# Altium PCB smu_unit.PcbDoc (part 3 of 3)
Units mil, origin at the board's own origin, x right, y up, seen from the top; angles counter-clockwise.
Board outline 6066 x 1900 mil, 4 copper layers (L1, L2, L3, L4), stack 64.6 mil thick; 158 components, 104 nets, 571 pads, 990 vias.
Unrouted connection lines stored in the file: 24.
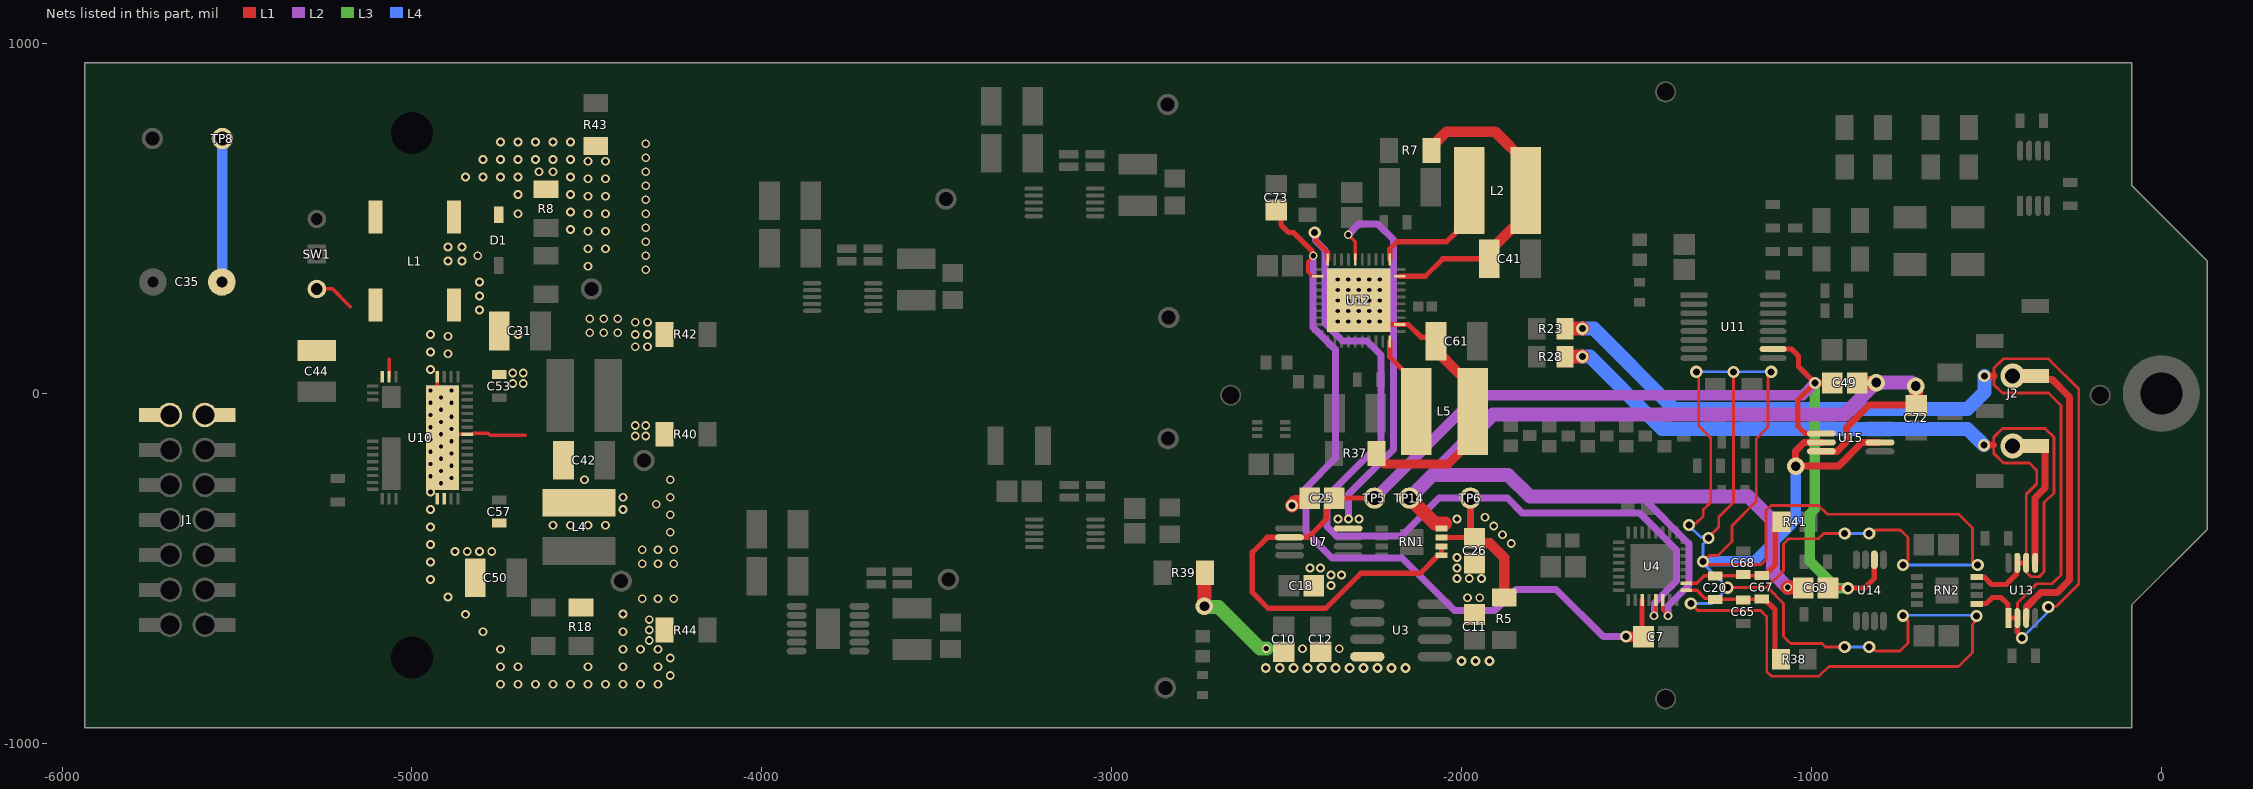
[diagram p5: the nets of this part, all layers, seen from the top]

## Via types
v1: diameter 25, hole 15, L1 to L4, tented both sides, 770 vias
v2: diameter 35, hole 20, L1 to L4, tented both sides, 109 vias
v3: diameter 20, hole 12, L1 to L4, tented both sides, 59 vias
v4: diameter 28, hole 15, L1 to L4, tented both sides, 26 vias
v5: diameter 50, hole 28, L1 to L4, tented both sides, 16 vias
v6: diameter 70.87, hole 43.31, L1 to L4, tented both sides, 6 vias
v7: diameter 40, hole 25, L1 to L4, tented both sides, 2 vias
v8: diameter 35, hole 20, L1 to L4, tented top, 1 vias
v9: diameter 40, hole 20, L1 to L4, tented both sides, 1 vias

## Nets (pads, with @x,y where several pads share a name; then routed paths per layer and width w, separated by ;. In a path a pad name is that pad's centre, name@x,y a point inside that pad or via, vN(x,y) a via of type N, cw(c..) or ccw(c..) an arc to the next point about the centre after c; other vN are vias at no path point) (continued)
REFGND: C10.2 C11.2 C12.2 C18.2 C25.1 C26.1 C49.1 C69.1 C72.2 R39.2 RN1.4 TP14.1 U3.4 U4.6 U7.4 U12.6 U15.4 | length 5405.4
  L1 w10: v1(-2324.01,453.71) -2303.87,433.58 -2303.87,383.35 U12.6@-2303.74,383.21 ; U4.6@-1425.02,-590.24 -1425.02,-619.93 v1(-1409.7,-635.24)
  L1 w20: U15.4@-971.66,-165.39 -927.39,-165.39 -900,-138 -900,-98 -835.54,-33.54 C72.2@-701,-33.54
  L1 w40: v5(-2735,-608) -2735,-514.54 R39.2@-2732.87,-512.41 ; v2(-2485,-320) -2474.51,-309.51 -2443.96,-309.51 -2434.43,-299.98 C25.1@-2434.43,-299 ; TP14.1@-2149,-299 -2076,-372 -2047,-372 ; v1(-1068,-554) -1025.43,-554 C69.1@-1023.43,-556 ; C49.1@-869.57,30 -869.07,30.5 -815.5,30.5 v5(-815,31) ; v5(-702,21) -701,20 C72.2@-701,-33.54
  L2 w20: v1(-2324.01,453.71) -2292.72,485 -2240,485 -2195,440 -2195,-160 -2323,-288 v1(-2323,-359) ; -1485,-295 -1350,-430 -1350,-548 -1409.7,-607.7 v1(-1409.7,-635.24)
  L2 w40: TP14.1@-2149,-299 -2083,-233 ; v1(-1068,-554) -1110,-512 -1110,-365 -1180,-295 -1485,-295 -1805,-295 -1867,-233 -2083,-233 ; v5(-702,21) -704.71,21 -714.71,31 v5(-815,31) -906,-60 -1910,-60 -2083,-233
  L3 w40: v5(-2735,-608) -2733.09,-609.91 -2695.09,-609.91 -2576,-729 v1(-2558,-729)
  other v1: -2455,-730 -2350,-730 -1983,-584 -1948,-584 -2373,-549 -2013,-529 -1978,-529 -1943,-529 -2373,-519 -2343,-519 -2433,-499 -2403,-499 -2013,-499 -2013,-469 -1858,-429 -1883,-404 -1908,-379 -2353,-359 -2293,-359 -2013,-359 -1933,-354
  other v4: -2560,-785 -2520,-785 -2480,-785 -2440,-785 -2400,-785 -2360,-785 -2320,-785 -2280,-785 -2240,-785 -2200,-785 -2160,-785 -2000,-765 -1960,-765 -1920,-765
SGND1: C31.2 C42.1 C50.2 C53.1 C57.2 L1.1 L4.2 R8.1 R18.1 R40.2 R42.1 R43.1 R44.1 U10.4 U10.5 U10.16 U10.27 U10.43 | length 488.9
  L1 w10: U10.43@-4928.97,-142.58 U10.43@-4912.8,-126.41 ; U10.43@-4927.68,-126.41 U10.27@-4927.68,48.2 ; U10.43@-4907.99,-151.41 -4907.99,-146.5 U10.43@-4907.99,-131.21 ; U10.43@-4907.89,-151.41 -4912.8,-146.5 -4912.8,-131.21 U10.43@-4912.8,-126.41 ; -4675.89,-119.41 -4776.89,-119.41 -4781.89,-114.41 -4824.94,-114.41 -4826.94,-116.41 -4841.5,-116.41 U10.16@-4841.66,-116.56 -4841.66,-116.41 -4841.82,-116.56 -4902.96,-116.56 U10.43@-4912.8,-126.41
  other v1: -4746.89,-831.41 -4696.89,-831.41 -4646.89,-831.41 -4596.89,-831.41 -4546.89,-831.41 -4496.89,-831.41 -4446.89,-831.41 -4396.89,-831.41 -4346.89,-831.41 -4296.89,-831.41 -4261.89,-806.41 -4746.89,-781.41 -4696.89,-781.41 -4496.89,-781.41 -4396.89,-781.41 -4296.89,-781.41 -4261.89,-756.41 -4746.89,-731.41 -4396.89,-731.41 -4346.89,-731.41 -4296.89,-731.41 -4321.89,-706.41 -4796.89,-681.41 -4396.89,-681.41 -4321.89,-676.41 -4321.89,-646.41 -4846.89,-631.41 -4396.54,-630.36 -4341.89,-586.41 -4296.89,-586.41 -4251.89,-586.41 -4896.89,-581.41 -4946.89,-531.41 -4341.89,-486.41 -4296.89,-486.41 -4251.89,-486.41 -4946.89,-481.41 -4876.89,-451.41 -4841.89,-451.41 -4806.89,-451.41 -4771.89,-451.41 -4341.89,-446.41 -4296.89,-446.41 -4251.89,-446.41 -4946.89,-431.41 -4261.89,-396.41 -4946.89,-381.41 -4596.89,-376.41 -4546.89,-376.41 -4496.89,-376.41 -4446.89,-376.41 -4261.89,-346.41 -4946.89,-331.41 -4396.89,-331.41 -4301.89,-316.41 -4396.89,-296.41 -4261.89,-296.41 -4946.89,-281.41 -4506.89,-246.41 -4261.89,-246.41 -4361.89,-121.41 -4331.89,-121.41 -4361.89,-91.41 -4331.89,-91.41 -4711.89,28.59 -4681.89,28.59 -4711.89,58.59 -4681.89,58.59 -4946.89,68.59 -4896.89,113.59 -4946.89,118.59 -4361.89,133.59 -4326.89,133.59 -4896.89,163.59 -4946.89,168.59 -4696.89,168.59 -4361.89,168.59 -4326.89,168.59 -4491.89,173.59 -4451.89,173.59 -4411.89,173.59 -4361.89,203.59 -4326.89,203.59 -4491.89,213.59 -4451.89,213.59 -4411.89,213.59 -4806.89,238.59 -4806.89,278.59 -4806.89,318.59 -4331.89,353.59 -4496.89,363.59 -4896.89,378.59 -4856.89,378.59 -4811.89,393.59 -4331.89,393.59 -4496.89,413.59 -4446.89,413.59 -4896.89,418.59 -4856.89,418.59 -4331.89,433.59 -4496.89,463.59 -4446.89,463.59 -4546.89,468.59 -4331.89,473.59 -4696.89,513.59 -4496.89,513.59 -4446.89,513.59 -4331.89,513.59 -4546.89,518.59 -4331.89,553.59 -4496.89,563.59 -4446.89,563.59 -4696.89,568.59 -4546.89,568.59 -4331.89,593.59 -4496.89,613.59 -4446.89,613.59 -4846.89,618.59 -4796.89,618.59 -4746.89,618.59 -4696.89,618.59 -4546.89,618.59 -4636.89,633.59 -4596.89,633.59 -4331.89,633.59 -4496.89,663.59 -4446.89,663.59 -4796.89,668.59 -4746.89,668.59 -4696.89,668.59 -4646.89,668.59 -4596.89,668.59 -4546.89,668.59 -4331.89,673.59 -4331.89,713.59 -4746.89,718.59 -4696.89,718.59 -4646.89,718.59 -4596.89,718.59 -4546.89,718.59
  other v3: -4916.89,-256.41 -4886.89,-241.41 -4946.89,-236.41 -4916.89,-221.41 -4886.89,-206.41 -4946.89,-201.41 -4916.89,-186.41 -4886.89,-171.41 -4946.89,-166.41 -4916.89,-151.41 -4886.89,-136.41 -4946.89,-131.41 -4916.89,-116.41 -4886.89,-101.41 -4946.89,-96.41 -4916.89,-81.41 -4886.89,-66.41 -4946.89,-61.41 -4916.89,-46.41 -4946.89,-26.41 -4886.89,-26.41 -4916.89,-11.41 -4946.89,8.59 -4886.89,8.59
SW+: L2.1 U12.1 | length 373.4
  L1 w15: U12.1@-2205.31,383.21 -2205.31,412.4 -2184.01,433.71 -2043.01,433.71 -2013.52,463.19 -1977.72,499 L2.1@-1977.72,579.71
SW-: L5.1 U12.30 | length 231.3
  L1 w15: U12.30@-2205.31,148.71 -2205.31,105.02 -2129.72,29.42 L5.1@-2129.72,-51.29
SWP: L1.3 U10.29 | length 49
  L1 w10: U10.29@-5065.47,48.2 -5065.47,97.18
SWPS: D1.1 L1.4
VDPC+: C41.1 L2.2 R7.2 U12.39 | length 939.1
  L1 w10: L2.2@-1816.3,579.71 L2.2@-1816.3,660.42
  L1 w15: U12.39@-2176.65,334.86 -2103.69,334.86 -2053.84,384.71 C41.1@-1921.06,384.71
  L1 w30: R7.2@-2085.98,694.71 -2085.98,704.55 -2041.83,748.71 -1904.59,748.71 L2.2@-1816.3,660.42 ; C41.1@-1921.06,384.71 -1921.06,410.3 -1906.54,424.83 -1902.89,424.83 -1857.02,470.69 -1844.61,470.69 -1816.3,499 L2.2@-1816.3,579.71
VDPC-: C61.2 L5.2 R37.2 U12.32 U12.41 | length 896.6
  L1 w10: C61.2@-2073.06,148.71 C61.2@-2055.77,131.42 ; L5.2@-1968.3,-51.29 -1968.3,-107.98 -1968.3,-111.98 L5.2@-1929.99,-150.29
  L1 w15: U12.41@-2214.61,197.71 -2213.96,197.06 U12.32@-2176.65,197.06 -2152.36,197.06 -2116.3,161 -2085.36,161 C61.2@-2073.06,148.71
  L1 w25: R37.2@-2242.98,-171.29 -2242.98,-181.13 -2222.83,-201.29 -2037.59,-201.29 -1968.3,-132 L5.2@-1968.3,-107.98
  L1 w30: C61.2@-2073.06,148.71 -2073.06,123.12 -2007.67,57.72 -1996.61,57.72 -1968.3,29.42 L5.2@-1968.3,-51.29
  other v3: -2353.9,205.96 -2323.9,205.96 -2293.9,205.96 -2263.9,205.96 -2233.9,205.96 -2353.9,235.96 -2323.9,235.96 -2293.9,235.96 -2263.9,235.96 -2233.9,235.96 -2353.9,265.96 -2323.9,265.96 -2293.9,265.96 -2263.9,265.96 -2233.9,265.96 -2353.9,295.96 -2323.9,295.96 -2293.9,295.96 -2263.9,295.96 -2233.9,295.96 -2353.9,325.96 -2323.9,325.96 -2293.9,325.96 -2263.9,325.96 -2233.9,325.96
VINP: C35.1 C44.2 J1.1 J1.2 L1.2 pad.1@-5591.89,-61.41 pad.1@-5691.89,-61.41 SW1.3 TP8.1 U10.30 | length 527.4
  L1 w10: SW1.3@-5271.89,298.59 -5226.89,298.59 -5176.17,247.87
  L3 w10: C35.1@-5543.47,318.59 C35.1@-5542.68,319.38 ; TP8.1@-5542.68,727.81 TP8.1@-5541.89,728.59
  L4 w30: C35.1@-5542.68,319.38 TP8.1@-5542.68,727.81
VLDO: C7.1 C73.2 U4.3 U12.12 | length 2350.5
  L1 w10: v1(-2424.04,393.68) -2424.04,392.68 -2440.01,376.71 -2440.01,347.71 -2427.16,334.86 U12.12@-2411.15,334.86
  L1 w15: C73.2@-2530,524.54 -2516.2,510.74 -2516.2,481.2 -2495,460 -2480,460 -2425.95,405.95 -2425.95,395.59 v1(-2424.04,393.68) ; U4.3@-1484.07,-590.24 -1484.07,-671.31 C7.1@-1480.13,-675.24
  L1 w30: v2(-1530,-695) -1490,-695 -1485,-700 C7.1@-1480,-695
  L2 w20: v1(-2424.04,393.68) -2424.04,189.04 -2360,125 -2360,-185 -2445,-270 -2445,-395 -2370,-470 -2170,-470 -2020,-620 -1905,-620 -1845,-560 -1730,-560 -1595,-695 v2(-1530,-695)
Vref: C26.2 R5.2 RN1.3 TP6.1 U4.5 U12.10 | length 2932.2
  L1 w10: v1(-1449.7,-635.24) -1444.7,-630.24 U4.5@-1444.7,-590.24
  L1 w15: v2(-2420,460) -2416.72,456.72 -2416.72,436.72 -2382.48,402.48 U12.10@-2382.48,383.21 ; RN1.3@-2057.09,-411.41 C26.2@-1975,-411.41 ; C26.2@-1948.47,-402.48 -1948.47,-400.02 C26.2@-1939.99,-391.54
  L1 w20: TP6.1@-1975,-299 -1975,-401.57 C26.2@-1963,-413.57
  L1 w30: C26.2@-1963,-413.57 -1948.47,-428.09 -1918.91,-428.09 -1878,-469 R5.2@-1878,-582.98
  L2 w20: v2(-2420,460) -2417.13,457.13 -2417.13,437.13 -2390,410 -2390,200 -2340,150 -2270,150 -2230,110 -2230,-140 -2385,-295 -2385,-380 -2358,-407 -2172,-407 -2064,-299 TP6.1@-1975,-299 -1869,-299 -1827,-341 -1492,-341 -1386,-447 -1386,-536 -1448.74,-598.74 -1448.74,-634.29 v1(-1449.7,-635.24)
Vref/2: C25.2 C49.2 C69.2 RN1.1 RN1.2 TP5.1 U7.6 U11.10 U14.2 U15.2 | length 3915.1
  L1 w10: U7.6@-2493.43,-411.2 U7.6@-2491.66,-411.2
  L1 w15: U7.6@-2493.43,-411.2 -2555.2,-411.2 -2598,-454 -2598,-569 -2553,-614 -2388,-614 -2288,-514 -2117.74,-514 -2067.09,-463.36 -2066.33,-462.59 RN1.1@-2057.09,-462.59 RN1.2@-2057.09,-437 ; U7.6@-2491.66,-411.2 -2491.14,-410.68 -2437.69,-410.68 -2415,-388 -2385.59,-358.59 -2385.59,-321.03 C25.2@-2363.57,-299 ; C25.2@-2384,-299.43 -2383.57,-299 C25.2@-2363.57,-299 ; TP5.1@-2249,-299 C25.2@-2363.57,-299 ; U11.10@-1109.8,127.02 -1109.5,127.32 -1057.32,127.32 -1037,107 -1037,77 v2(-990,30) -1039,-19 -1039,-94 -1019,-114 -971.87,-114 U15.2@-971.66,-114.2 ; C69.2@-952.57,-556 -848,-556 -820.2,-528.2 U14.2@-820.2,-475.4
  L1 w20: v2(-990,30) C49.2@-940.43,30
  L2 w30: TP5.1@-2249,-299 -1955,-5 -1025,-5 v2(-990,30)
  L3 w30: v2(-990,30) -990,-330 -1005,-345 -1005,-480 -928,-557 v2(-896,-557)
Vref/2/HiZ: U15.3 U15.6 | length 7041.8
  L1 w8: v2(-1350,-376) -1344.83,-370.83 -1329.83,-370.83 -1309,-350 -1309,-332 -1288,-311 -1288,-127 -1322,-93 -1322,43.81 -1323.83,45.65 -1323.83,56.83 v2(-1329,62) ; v2(-1345,-600) -1325,-620 -1145,-620 -1128,-637 -1128,-795 -1115,-808 -978,-808 -950,-780 -580,-780 -540,-740 -540,-660 -533.17,-653.17 -533.17,-641.17 v2(-528,-636) ; v2(-1310,-480) -1307,-477 v2@-1302.69,-477 ; v2@-1303.76,-474.85 -1291.91,-463 -1267,-463 -1227,-423 -1227,-378 -1158,-309 -1158,-130 -1124,-96 -1124,53 v2(-1115,62) ; v2@-1302.69,-480 -1293.69,-489 -1144,-489 -1130,-475 -1130,-335 -1115,-320 -980,-320 -955,-345 -580,-345 -540,-385 -540,-481.46 -526.46,-495 -525,-493.54 v2(-525,-490) ; v2@-1295,-413 -1295,-412 -1265,-382 -1265,-353 -1223,-311 v2(-1223,61) ; v2(-1240,-555) -1125,-555 -1080,-600 -1080,-695 -1060,-715 -970,-715 -960,-725 v2(-905,-725) ; -1128,-555 -1080,-507 -1080,-430 -1065,-415 -980,-415 -965,-400 v2(-905,-400) ; v2(-835,-725) -827.81,-725 -816.81,-736 -747,-736 -724,-713 -724,-649 v2(-738,-635) ; v2(-835,-400) -827.69,-400 -817.69,-390 -746,-390 -724,-412 -724,-476 v2(-738,-490)
  L1 w20: U15.3@-971.66,-139.8 -971.87,-140 -1021,-140 -1045,-164 v5(-1045,-208) -1042,-205 -1039,-208 -923,-208 -855,-140 -804.54,-140 U15.6@-804.34,-139.8
  L4 w8: v2(-1350,-376) -1350,-378 -1317.36,-410.64 -1298.36,-410.64 -1294,-415 -1310,-431 v2(-1310,-480) ; v2(-1345,-600) -1284,-600 v2@-1240,-556 ; v2@-1330,62 v2(-1115,62) ; v2@-1311,-481 -1311,-484 v2(-1240,-555) v2@-1239,-556 ; v2(-905,-725) v2(-835,-725) ; v2@-902,-400 v2@-837,-400 ; v2@-739,-634 v2@-530,-634 ; v2@-739,-490 v2(-525,-490)
  L4 w30: v2(-1310,-480) -1163,-480 -1045,-362 v5(-1045,-208)
  other v2: -1294,-413
VSENSE+: J2.3 U13.3 | length 833
  L1 w20: U13.3@-386.2,-641.76 -386,-641.55 -386,-611 -343.5,-568.5 -297.5,-568.5 -262,-533 -262,-10 -312.5,40.5 -350.5,40.5 J2.3@-360,50
  other v6: -424.96,50
VSENSE+/ADC: C20.2 C67.2 C68.1 R41.2 U4.10 | length 407
  L1 w10: U4.10@-1358.09,-543 -1358.01,-542.92 -1327.92,-542.92 -1306.54,-521.54 C20.2@-1275,-521.54 -1274.5,-521.04 -1217,-521.04 -1142.5,-521.04 C67.2@-1142,-520.54
  L1 w15: C67.2@-1142,-520.54 -1134.13,-520.54 -1103.48,-489.89 -1103.48,-385.09 R41.2@-1085.39,-367
VSENSE+/HiZ: R23.2 RN2.1 U13.1 U13.2 | length 3671.9
  L1 w8: U13.1@-437.39,-641.76 -420.24,-641.76 U13.2@-411.8,-641.76 U13.2@-411.8,-664.5 ; U13.2@-411,-639 -411,-599 -356,-544 -312,-544 -287,-519 -287,-34 -322,1 -454,1 -478,25 -478,50 -478,73 -452,99 -322,99 -236,13 -236,-545 -299.14,-608.14 -321.14,-608.14 v2(-323,-610) ; v2(-398,-699) v2@-398,-695.64
  L1 w15: RN2.1@-527.55,-601.39 -526.78,-600.62 -500.62,-600.62 -483,-583 -458,-583 -438.47,-602.53 -438.47,-640.68 U13.1@-437.39,-641.76 -420.24,-641.76 U13.2@-411.8,-641.76 ; U13.2@-411.8,-664.5 -411.8,-681.84 v2@-398,-695.64
  L1 w20: v2(-506,50) -478,50
  L1 w40: R23.2@-1704.65,185 v2(-1655,185)
  L4 w8: v2(-398,-699) -328.17,-629.17 -328.17,-615.17 v2(-323,-610)
  L4 w40: v2(-1655,185) -1622,185 -1393,-44 -554,-44 -506,4 v2(-506,50)
VSENSE-: J2.5 U13.5 | length 368.5
  L1 w20: U13.5@-360.61,-484.24 -360.61,-298.61 -332,-270 -332,-159.5 -341.5,-150 J2.5@-360,-150
  other v6: -424.96,-150
VSENSE-/ADC: C20.1 C65.2 C67.1 R38.2 U4.9 | length 428.9
  L1 w10: U4.9@-1358.09,-562.68 -1327.31,-562.68 -1304.81,-585.19 -1278.28,-585.19 C20.1@-1275,-588.46 -1274.5,-587.96 -1217,-587.96 -1142.5,-587.96 C67.1@-1142,-587.46
  L1 w15: C67.1@-1142,-587.46 -1134.13,-587.46 -1104,-617.59 -1104,-737.97 -1083.97,-758 R38.2@-1081.45,-758
VSENSE-/HiZ: R28.2 RN2.4 U13.6 U13.7 | length 2671.9
  L1 w8: U13.6@-388,-481 -388,-509 -373,-524 -349,-524 -335,-510 -335,-312 -307,-284 -307,-125 -332,-100 -454,-100 -479,-125 -479,-148 -479,-171 -451,-199 -377,-199 -356,-220 -356,-258 -386,-288 -386,-484.04 U13.6@-386.2,-484.24
  L1 w15: RN2.4@-527.55,-524.61 -526.78,-525.38 -505.62,-525.38 -485,-546 -444,-546 -412.21,-514.21 -412.21,-484.66 U13.7@-411.8,-484.24 U13.6@-386.2,-484.24
  L1 w20: v2(-507,-148) -479,-148
  L1 w40: R28.2@-1704.65,105 v2(-1655,105)
  L4 w40: v2(-1655,105) -1633,105 -1427,-101 -554,-101 v2(-507,-148)
pads on no net: RN1.9 RN2.9 U1.4 U2.4 U3.1 U3.3 U3.5 U3.7 U3.8 U4.1 U4.7 U4.8 U4.11 U4.12 U4.13 U4.14 U4.17 U4.18 U4.22 U4.23 U4.24 U4.25 U4.27 U5.4 U6.4 U6.7 U7.1 U7.5 U7.8 U9.5 U9.6 U9.7 U10.24 U10.25 U10.26 U12.9 U12.11 U12.17 U12.18 U12.19 U12.28 U12.33 U14.7 U15.1 U15.5 U15.8
copper on no net: | length 23.9
  L1 w10: -1562.73,-464.34 -1562.65,-464.26 -1551,-464.26 ; -1385.65,-397.33 -1385.65,-385.19

## Polygon pours and split planes (outlines as drawn)
isoDGND on L3 "ISODGND_L03_P097" (solid, remove dead copper, pour order 97): -85,945 -85,-955 -2690,-955 -2690,945
isoAGND on L3 "ISOAGND_L03_P096" (solid, remove dead copper, pour order 96): -2691.27,945 -2691.27,623.51 -2596.27,718.51 -2276.27,718.51 -2231.27,763.51 -1416.27,763.51 -1231.27,578.51 -1231.27,418.51 -1371.27,278.51 -1371.27,-1.49 -1111.27,-1.49 -1030.27,79.51 -1030.27,175 -747.76,175 -620,47.24 -620,-667.76 -521.27,-766.49 -86.27,-766.49 -86.27,945
isoAGND on L3 "ISOAGND_L03_P098" (solid, remove dead copper, pour order 98): -2770,945
REFGND on L3 "REFGND_L03_P087" (solid, remove dead copper, pour order 87): -2605,-815 -2605,-375 -2495,-265 -1985,-265 -1835,-415 -1835,-815
isoDGND on L3 "ISODGND_L03_P045" (solid, remove dead copper, pour order 45): -4116.89,-81.41 -4116.89,-166.41 -4221.89,-166.41 -4221.89,-896.41 -2786.89,-896.41 -2786.89,-81.41
isoAGND on L3 "ISOAGND_L03_P031" (solid, remove dead copper, pour order 31): -4216.89,880.59 -2791.89,880.59 -2791.89,-61.41 -4216.89,-61.41 -4216.89,123.59 -4121.89,123.59 -4121.89,213.59 -4216.89,213.59
PGNDP on L3 "PGNDP_L03_P005" (solid, remove dead copper, pour order 5): -5916.89,-196.41 -5446.89,-196.41 -5376.89,-126.41 -5376.89,-81.41 -5336.89,-41.41 -5031.89,-41.41 -5031.89,393.59 -5081.89,443.59 -5081.89,583.59 -5166.89,583.59 -5316.89,733.59 -5471.89,733.59 -5516.89,688.59 -5766.89,688.59 -5811.89,733.59 -5916.89,733.59
-18.8V on L3 "-18.8V_L03_P027" (solid, remove dead copper, pour order 27): -4156.89,-601.41 -4156.89,-896.41 -3426.89,-896.41 -3426.89,-611.41 -3751.89,-611.41 -3786.89,-576.41 -3786.89,-331.41 -3936.89,-331.41 -3936.89,-601.41
SGND1 on L3 "SGND1_L03_P018" (solid, remove dead copper, pour order 18): -4751.89,733.59 -4911.89,573.59 -4911.89,223.59 -4961.89,173.59 -4961.89,-541.41 -4761.89,-741.41 -4761.89,-846.41 -4236.89,-846.41 -4236.89,678.59 -4291.89,733.59
MGND on L3 "MGND_L03_P010" (solid, remove dead copper, pour order 10): -5916.89,-221.41 -5401.89,-221.41 -5296.89,-116.41 -5031.89,-116.41 -5031.89,-541.41 -5341.89,-851.41 -5916.89,-851.41
isoAGND on L4 "ISOAGND_L04_P095" (solid, remove dead copper, pour order 95): -2690,-955 -85,-955 -85,945 -2690,945
REFGND on L4 "REFGND_L04_P090" (solid, remove dead copper, pour order 90): -2605,-815 -2605,-265 -1985,-265 -1835,-415 -1835,-815
isoAGND on L4 "ISOAGND_L04_P035" (solid, remove dead copper, pour order 35): -3256.89,880.59 -3256.89,598.59 -3891.89,598.59 -3891.89,328.59 -4176.89,328.59 -4176.89,213.59 -4121.89,213.59 -4121.89,123.59 -4211.89,123.59 -4211.89,-61.41 -2791.89,-61.41 -2791.89,880.59
SGND1 on L4 "SGND1_L04_P011" (solid, remove dead copper, pour order 11): -4751.89,733.59 -4911.89,573.59 -4911.89,223.59 -4961.89,173.59 -4961.89,-541.41 -4761.89,-741.41 -4761.89,-846.41 -4236.89,-846.41 -4236.89,678.59 -4291.89,733.59
isoDGND on L4 "ISODGND_L04_P033" (solid, remove dead copper, pour order 33): -3241.89,-81.41 -3241.89,-331.41 -4221.89,-331.41 -4221.89,-896.41 -2786.89,-896.41 -2786.89,-81.41
PGNDP on L4 "PGNDP_L04_P000" (solid, remove dead copper, pour order 0): -5916.89,-196.41 -5446.89,-196.41 -5376.89,-126.41 -5376.89,-81.41 -5336.89,-41.41 -5031.89,-41.41 -5031.89,393.59 -5081.89,443.59 -5081.89,583.59 -5166.89,583.59 -5316.89,733.59 -5471.89,733.59 -5516.89,688.59 -5766.89,688.59 -5811.89,733.59 -5916.89,733.59
-18.8V on L4 "-18.8V_L04_P016" (solid, remove dead copper, pour order 16): -4156.89,-601.41 -4156.89,-896.41 -3426.89,-896.41 -3426.89,-611.41 -3751.89,-611.41 -3786.89,-576.41 -3786.89,-331.41 -3936.89,-331.41 -3936.89,-601.41
MGND on L4 "MGND_L04_P004" (solid, remove dead copper, pour order 4): -5916.89,-221.41 -5401.89,-221.41 -5296.89,-116.41 -5031.89,-116.41 -5031.89,-541.41 -5341.89,-851.41 -5916.89,-851.41
isoAGND on L2 "ISOAGND_L02_P093" (solid, remove dead copper, pour order 93): -2690,-955 -85,-955 -85,945 -2690,945
REFGND on L2 "REFGND_L02_P088" (solid, remove dead copper, pour order 88): -2605,-815 -2605,-265 -1985,-265 -1835,-415 -1835,-815
REFGND on L2 "REFGND_L02_P094" (solid, remove dead copper, pour order 94): -2605,-815
isoDGND on L2 "ISODGND_L02_P044" (solid, remove dead copper, pour order 44): -4116.89,-79.41 -4116.89,-166.41 -4221.89,-166.41 -4221.89,-896.41 -2786.89,-896.41 -2786.89,-79.41
PGNDP on L2 "PGNDP_L02_P007" (solid, remove dead copper, pour order 7): -5916.89,-196.41 -5446.89,-196.41 -5376.89,-126.41 -5376.89,-81.41 -5336.89,-41.41 -5031.89,-41.41 -5031.89,393.59 -5081.89,443.59 -5081.89,583.59 -5166.89,583.59 -5316.89,733.59 -5471.89,733.59 -5516.89,688.59 -5766.89,688.59 -5811.89,733.59 -5916.89,733.59
-18.8V on L2 "-18.8V_L02_P026" (solid, remove dead copper, pour order 26): -4156.89,-601.41 -4156.89,-896.41 -3426.89,-896.41 -3426.89,-611.41 -3751.89,-611.41 -3786.89,-576.41 -3786.89,-331.41 -3936.89,-331.41 -3936.89,-601.41
isoAGND on L2 "ISOAGND_L02_P029" (solid, remove dead copper, pour order 29): -4216.89,880.59 -2791.89,880.59 -2791.89,-61.41 -4216.89,-61.41 -4216.89,123.59 -4121.89,123.59 -4121.89,213.59 -4216.89,213.59
SGND1 on L2 "SGND1_L02_P017" (solid, remove dead copper, pour order 17): -4751.89,733.59 -4911.89,573.59 -4911.89,223.59 -4961.89,173.59 -4961.89,-541.41 -4761.89,-741.41 -4761.89,-846.41 -4236.89,-846.41 -4236.89,678.59 -4291.89,733.59
MGND on L2 "MGND_L02_P009" (solid, remove dead copper, pour order 9): -5916.89,-221.41 -5401.89,-221.41 -5296.89,-116.41 -5031.89,-116.41 -5031.89,-541.41 -5341.89,-851.41 -5916.89,-851.41
isoAGND on L1 "ISOAGND_L01_P104" (solid, remove dead copper, pour order 104): -2660,860 -175,860 -175,-875 -2660,-875
isoDGND on L1 "ISODGND_L01_P103" (solid, remove dead copper, pour order 103): -2630,-90 -2540,-90 -2540,-370 -2630,-370
isoDGND on L1 "ISODGND_L01_P102" (solid, remove dead copper, pour order 102): -1530,-445 -1590,-445 -1620,-415 -1840,-415 -1840,-625 -1645,-625 -1545,-525 -1530,-525
isoDGND on L1 "ISODGND_L01_P101" (solid, remove dead copper, pour order 101): -900,195 -900,55 -680,55 -680,135 -740,195
isoDGND on L1 "ISODGND_L01_P100" (solid, remove dead copper, pour order 100): -1565,530 -1500,595 -1270,595 -1270,405 -1565,405
isoDGND on L1 "ISODGND_L01_P099" (solid, remove dead copper, pour order 99): -1584,508
REFGND on L1 "REFGND_L01_P091" (solid, remove dead copper, pour order 91): -2615,-825 -2615,-245 -1975,-245 -1815,-405 -1815,-825
isoDGND on L1 "ISODGND_L01_P085" (solid, remove dead copper, pour order 85): -2264.01,175.71 -2264.01,110.71 -2306.01,68.71 -2322.01,68.71 -2377.01,13.71 -2615,13.71 -2615,450 -2430,450 -2384.01,404.01 -2384.01,175.71
5.5V on L1 "5.5V_L01_P052" (solid, remove dead copper, pour order 52): -2234.01,366.71 -2234.01,458.71 -2244.01,468.71 -2244.01,548.71 -2264.01,568.71 -2264.01,820 -2429.01,820 -2429.01,536.71 -2279.01,536.71 -2279.01,468.71 -2269.01,458.71 -2264.01,458.71 -2254.01,448.71 -2254.01,366.71
15V on L1 "15V_L01_P051" (solid, remove dead copper, pour order 51): -2234.01,368.71 -2214.01,368.71 -2214.01,418.71 -2174.01,458.71 -2174.01,523.71 -2154.01,543.71 -2154.01,820 -2264.01,820 -2264.01,568.71 -2244.01,548.71 -2244.01,468.71 -2234.01,458.71
isoDGND on L1 "ISODGND_L01_P030" (solid, remove dead copper, pour order 30): -4116.89,-79.41 -4116.89,-166.41 -4221.89,-166.41 -4221.89,-896.41 -2786.89,-896.41 -2786.89,-79.41
isoAGND on L1 "ISOAGND_L01_P028" (solid, remove dead copper, pour order 28): -4216.89,880.59 -2791.89,880.59 -2791.89,-61.41 -4216.89,-61.41 -4216.89,123.59 -4121.89,123.59 -4121.89,213.59 -4216.89,213.59
SGND1 on L1 "SGND1_L01_P008" (solid, remove dead copper, pour order 8): -4751.89,733.59 -4911.89,573.59 -4911.89,223.59 -4961.89,173.59 -4961.89,-541.41 -4761.89,-741.41 -4761.89,-846.41 -4236.89,-846.41 -4236.89,678.59 -4291.89,733.59
MGND on L1 "MGND_L01_P006" (solid, remove dead copper, pour order 6): -5916.89,-221.41 -5401.89,-221.41 -5296.89,-116.41 -5031.89,-116.41 -5031.89,-541.41 -5341.89,-851.41 -5916.89,-851.41
PGNDP on L1 "PGNDP_L01_P002" (solid, remove dead copper, pour order 2): -5916.89,-196.41 -5446.89,-196.41 -5376.89,-126.41 -5376.89,-81.41 -5336.89,-41.41 -5031.89,-41.41 -5031.89,393.59 -5081.89,443.59 -5081.89,583.59 -5166.89,583.59 -5316.89,733.59 -5471.89,733.59 -5516.89,688.59 -5766.89,688.59 -5811.89,733.59 -5916.89,733.59
VLDO on L1 "VLDO_L01_P054" (solid, remove dead copper, pour order 54): -2439.01,323.71 -2448.01,332.71 -2448.01,423.71 -2414.01,423.71 -2389.01,398.71 -2389.01,323.71
VDPC+ on L1 "VDPC+_L01_P050" (solid, remove dead copper, pour order 50): -2184.01,342.71 -2115.01,342.71 -2039.01,418.71 -2004.01,418.71 -1974.01,448.71 -1929.01,448.71 -1899.01,478.71 -1899.01,693.71 -1924.01,718.71 -2019.01,718.71 -2044.01,693.71 -2044.01,653.71 -2134.01,653.71 -2139.01,658.71 -2139.01,820 -1845.3,820 -1754.01,728.71 -1754.01,468.71 -1779.01,443.71 -1844.01,443.71 -1874.01,413.71 -1874.01,323.71 -1989.01,323.71 -2004.01,338.71 -2079.01,338.71 -2094.01,323.71 -2184.01,323.71
VDPC- on L1 "VDPC-_L01_P048" (solid, remove dead copper, pour order 48): -2194.01,208.71 -2024.01,208.71 -2024.01,123.71 -1984.01,83.71 -1914.01,83.71 -1914.01,-235 -2284.01,-235 -2284.01,-136.29 -2269.01,-121.29 -2214.01,-121.29 -2204.01,-121.29 -2204.01,-171.29 -2194.01,-181.29 -2074.01,-181.29 -2034.01,-141.29 -2034.01,53.56
SW- on L1 "SW-_L01_P047" (solid, remove dead copper, pour order 47): -2214.01,165.71 -2214.01,88.71 -2194.01,68.71 -2194.01,-176.29 -2069.01,-176.29 -2034.01,-141.29 -2034.01,53.71 -2064.01,83.71 -2114.01,83.71 -2196.01,165.71
-15V on L1 "-15V_L01_P053" (solid, remove dead copper, pour order 53): -2214.01,165.71 -2244.95,165.71 -2244.95,97.76 -2266.01,76.71 -2266.01,16.71 -2293.9,-11.18 -2293.9,-82.18 -2333.01,-121.29 -2470,-121.29 -2470,-235 -2284.01,-235 -2284.01,-136.29 -2269.01,-121.29 -2194.01,-121.29 -2194.01,68.71 -2214.01,88.71
SW+ on L1 "SW+_L01_P049" (solid, remove dead copper, pour order 49): -2214.01,366.71 -2214.01,418.71 -2174.01,458.71 -2099.01,458.71 -2044.01,513.71 -2044.01,693.71 -2019.01,718.71 -1924.01,718.71 -1899.01,693.71 -1899.01,478.71 -1929.01,448.71 -1974.01,448.71 -2004.01,418.71 -2119.01,418.71 -2171.01,366.71
-18.8V on L1 "-18.8V_L01_P019" (solid, remove dead copper, pour order 19): -4156.89,-601.41 -4156.89,-896.41 -3426.89,-896.41 -3426.89,-731.41 -3751.89,-731.41 -3751.89,-611.41 -3786.89,-576.41 -3786.89,-331.41 -3936.89,-331.41 -3936.89,-601.41
no net on Top Overlay (none): -4189.09,768.49 -4189.21,769.08 -4189.33,769.68 -4189.45,770.27 -4189.41,770.27 cw(c-3979.96,814.42) -4193.24,832.55 ccw(c-4170.69,906.89) -4170.63,829.2 ccw(c-4170.21,905.08) -4105.44,865.55 ccw(c-4040.66,905.11) -4040.25,829.2 ccw(c-4040.23,907.39) -4017.67,832.53 cw(c-4229.92,813.9) -4021.37,770.23 -4021.44,770.23 cw(c-4232.85,814.83) -4044.6,708.77 -4044.58,708.75 cw(c-4237.64,817.2) -4063.95,679.84 -4063.95,679.85 cw(c-4238.96,818.32) -4105.4,639.53 cw(c-3971.69,819.15) -4146.92,679.74 -4146.93,679.74 cw(c-3975.64,815.21) -4163.91,704.55 cw(c-3851.6,890.63) -4168.51,712.5 cw(c-4002.82,803.64) -4181.93,742.97 cw(c-3966.46,817.41) -4188.85,767.29
no net on Top Overlay (solid): -4194.06,814.45 ccw(c-3980,814.45) -4189.45,770.27 -4021.43,770.27 ccw(c-4229.97,813.94) -4016.9,813.94 ccw(c-4229.97,813.94) -4017.72,832.57 cw(c-4040.28,907.42) -4040.28,829.24 cw(c-4040.28,907.42) -4040.3,829.24 cw(c-4040.71,905.15) -4040.71,829.24 cw(c-4040.71,905.15) -4105.5,865.59 cw(c-4170.26,905.11) -4170.26,829.24 cw(c-4170.26,905.11) -4170.68,829.24 cw(c-4170.74,906.94) -4170.74,829.24 cw(c-4170.74,906.94) -4193.29,832.59 ccw(c-3980,814.45)
no net on Top Overlay (solid): -4167.01,708.14 ccw(c-3977.83,814.15) -4147.65,679.28 -4106.1,719.69 -4064.67,679.39 ccw(c-4238.35,816.73) -4045.3,708.29 -4106.1,766.7
no net on Bottom Overlay (solid): -412.19,620.81 ccw(c-111.72,789.18) -381.44,574.97 -315.44,639.15 -249.64,575.14 ccw(c-525.49,793.28) -218.88,621.05 -315.44,713.82
no net on Bottom Overlay (none): -447.26,716.66 -447.44,717.6 -447.63,718.55 -447.83,719.49 -447.76,719.49 cw(c-115.1,789.61) -453.85,818.41 ccw(c-418.03,936.48) -417.93,813.09 ccw(c-417.27,933.6) -314.4,870.82 ccw(c-211.51,933.65) -210.85,813.09 ccw(c-210.82,937.27) -174.98,818.38 cw(c-512.11,788.79) -180.87,719.43 -180.97,719.43 cw(c-516.76,790.27) -217.77,621.82 -217.73,621.78 cw(c-524.37,794.04) -248.49,575.87 -248.5,575.88 cw(c-526.46,795.8) -314.33,511.84 cw(c-101.96,797.13) -380.28,575.7 -380.29,575.7 cw(c-108.24,790.87) -407.27,615.11 cw(c88.77,910.66) -414.57,627.73 cw(c-151.41,772.5) -435.88,676.14 cw(c-93.66,794.37) -446.87,714.76
no net on Bottom Overlay (solid): -455.15,789.65 ccw(c-115.17,789.65) -447.83,719.49 -180.96,719.49 ccw(c-512.19,788.85) -173.77,788.85 ccw(c-512.19,788.85) -175.07,818.44 cw(c-210.9,937.33) -210.9,813.15 cw(c-210.9,937.33) -210.93,813.15 cw(c-211.59,933.71) -211.59,813.15 cw(c-211.59,933.71) -314.49,870.88 cw(c-417.35,933.66) -417.35,813.15 cw(c-417.35,933.66) -418.02,813.15 cw(c-418.11,936.56) -418.11,813.15 cw(c-418.11,936.56) -453.93,818.47 ccw(c-115.17,789.65)

## Keep-outs
Keep-Out Layer:
  the board outline again, w8

## Other copper
L1:
  rectangle net MGND: -5050.89,-331.41 -5031.89,-273.41
  rectangle net MGND: -5096.89,-141.41 -5031.89,-116.41
  rectangle net isoAGND: -4066.89,-581.41 -3950.78,-331.41
  region net 5.15V: -4477.89,-246.41 -4331.89,-246.41 -4306.89,-221.41 -4306.89,-166.41 -4331.89,-141.41 -4371.89,-141.41 -4391.89,-121.41 -4391.89,118.59 -4511.89,118.59 -4511.89,-111.41 -4477.89,-145.41
  region net SGND1: -4681.89,-756.41
  region net SGND1: -4749.89,-750.41
  region net SGND1: -4746.89,-751.41
  region net 18.8V: -4771.89,278.59 -4706.89,278.59 -4661.89,233.59 -4661.89,113.59 -4561.89,113.59 -4561.89,263.59 -4471.89,263.59 -4451.89,283.59 -4451.89,313.59 -4471.89,333.59 -4561.89,333.59 -4581.89,353.59 -4656.89,353.59 -4666.89,363.59 -4666.89,388.59 -4771.89,388.59
  region net -18.8V: -4736.89,-461.41 -4736.89,-611.41 -4671.89,-676.41 -4586.89,-676.41 -4586.89,-591.41 -4566.89,-571.41 -4386.89,-571.41 -4366.89,-551.41 -4366.89,-521.41 -4386.89,-501.41 -4636.89,-501.41 -4676.89,-461.41
  region net SWPS: -4891.89,448.59 -4906.89,463.59 -4906.89,558.59 -4756.89,558.59 -4736.89,538.59 -4736.89,448.59
  region net MGND: -5190.89,-268.91 -5190.89,-362.91 -5319.39,-491.41 -5446.89,-491.41 -5446.89,-471.41 -5244.39,-268.91
  region net VINP: -5491.89,-71.41 -5491.89,143.59 -5411.89,63.59 -5121.89,63.59 -5109.89,51.59 -5109.89,31.59 -5079.89,31.59 -5079.89,74.59 -5083.89,78.59 -5083.89,299.59 -5108.89,324.59 -5156.89,324.59 -5191.89,289.59 -5191.89,223.59 -5226.89,188.59 -5231.89,188.59 -5377.89,188.59 -5456.89,267.59 -5456.89,348.59 -5506.89,398.59 -5581.89,398.59 -5631.89,348.59 -5631.89,38.59 -5681.89,-11.41 -5796.89,-11.41 -5796.89,-106.41 -5526.89,-106.41
  region net SWP: -5146.89,583.59 -5146.89,393.59 -5071.89,318.59 -5071.89,78.59 -5056.89,78.59 -5036.89,98.59 -5036.89,393.59 -5081.89,438.59 -5081.89,583.59
  region net 18.8V: -3903.89,270.59 -3828.89,270.59 -3828.89,335.59 -3888.89,335.59 -3903.89,350.59 -3903.89,435.59 -3903.89,610.59 -4013.89,610.59 -4013.89,270.59 -3903.89,270.59
  region net 18.8V: -3270,541 -3195,541 -3195,606 -3255,606 -3270,621 -3270,706 -3270,881 -3380,881 -3380,541 -3270,541
  region net -15V: -3750.78,-642.52 -3700.78,-642.52 -3680.78,-622.52 -3680.78,-567.52 -3710.78,-567.52 -3710.78,-522.52 -3645.78,-522.52 -3645.78,-492.52 -3775.78,-492.52 -3775.78,-582.52 -3750.78,-607.52
  region net NetC19_4: -3635.78,-685.31 -3425.78,-685.31 -3425.78,-622.52 -3465.78,-622.52 -3555.78,-532.52 -3625.78,-532.52 -3625.78,-567.52 -3635.78,-577.52 -3635.78,-645.12
  region net NetC23_2: -3673.18,-702.52 -3425.78,-702.52 -3425.78,-771.41 -3626.89,-771.41 -3673.18,-725.12
  region net NetC9_2: -3608.89,225.59 -3423.89,225.59 -3423.89,305.59 -3613.89,305.59 -3643.89,275.59 -3643.89,245.59 -3623.89,225.59
  region net 18.8V: -3708.89,240.59 -3658.89,240.59 -3648.89,230.59 -3648.89,180.59 -3708.89,180.59
  region net 5.5V: -3718.89,390.59 -3653.89,390.59 -3643.89,380.59 -3643.89,320.59 -3653.89,310.59 -3708.89,310.59 -3718.89,320.59
  region net NetC6_4: -3718.89,400.59 -3783.89,400.59 -3788.89,405.59 -3788.89,485.59 -3423.89,485.59 -3423.89,315.59 -3598.89,315.59 -3613.89,330.59 -3613.89,400.59 -3648.89,435.59 -3718.89,435.59
  region net NetC21_2: -2975,496 -2790,496 -2790,576 -2980,576 -3010,546 -3010,516 -2990,496
  region net 15V: -3085,661 -3020,661 -3010,651 -3010,591 -3020,581 -3075,581 -3085,591
  region net NetC15_4: -3085,671 -3150,671 -3155,676 -3155,756 -2790,756 -2790,586 -2965,586 -2980,601 -2980,671 -3015,706 -3085,706
  region net 18.8V: -3075,511 -3025,511 -3015,501 -3015,451 -3075,451
  region net 5.15V: -3073.89,-434.41 -3023.89,-434.41 -3013.89,-444.41 -3013.89,-494.41 -3073.89,-494.41
  region net NetC8_1: -2973.89,-449.41 -2788.89,-449.41 -2788.89,-369.41 -2983.89,-369.41 -3008.89,-394.41 -3008.89,-434.41 -2993.89,-449.41
  region net NetC3_4: -3083.89,-274.41 -3148.89,-274.41 -3153.89,-269.41 -3153.89,-189.41 -2788.89,-189.41 -2788.89,-359.41 -2963.89,-359.41 -2978.89,-344.41 -2978.89,-274.41 -3013.89,-239.41 -3083.89,-239.41
  region net isoDGND: -3083.89,-279.41
  region net 3.3V: -3083.89,-284.41 -3018.89,-284.41 -3008.89,-294.41 -3008.89,-354.41 -3018.89,-364.41 -3073.89,-364.41 -3083.89,-354.41
  region net 5.15V: -3358.89,-79.41 -3253.89,-79.41 -3253.89,-224.41 -3268.89,-239.41 -3268.89,-329.41 -3193.89,-329.41 -3193.89,-404.41 -3358.89,-404.41
  text "10/2020" at -5130,860 h100
L3:
  rectangle net 18.8V: -4226.89,626 -3270,881
  rectangle net 18.8V: -4226.89,355.59 -3903.89,610.59
  rectangle net 5.15V: -4166.89,-319.41 -3253.89,-79.41
  region net 5.15V: -4787.89,-150.41 -4779.89,-142.41 -4767.89,-142.41 -4749.89,-160.41 -4322.89,-160.41 -4305.89,-177.41 -4305.89,-204.41 -4323.89,-222.41 -4728.89,-222.41 -4787.89,-163.41
  region net -15V: -3780.78,-491.41 -3780.78,-581.41 -3755.78,-606.41 -3441.89,-606.41 -3421.89,-586.41 -3421.89,-491.41 -3526.89,-491.41 -3526.89,-516.41 -3541.89,-531.41 -3561.89,-531.41 -3576.89,-516.41 -3576.89,-491.41
  region net SGND1: -4636.89,158.59
  region net isoAGND: -4231.89,-331.41 -3950.78,-331.41 -3950.78,-581.41 -4231.89,-581.41
  region net 5.5V: -3718.89,390.59 -3563.89,390.59 -3523.89,430.59 -3523.89,610.59 -3423.89,610.59 -3423.89,366.59 -3479.89,310.59 -3708.89,310.59 -3718.89,320.59
  region net 15V: -3085,661 -2930,661 -2890,701 -2890,881 -2790,881 -2790,626 -2835,581 -3075,581 -3085,591
  region net 3.3V: -3083.89,-284.41 -2934.89,-284.41 -2888.89,-238.41 -2888.89,-79.41 -2788.89,-79.41 -2788.89,-268.41 -2884.89,-364.41 -3073.89,-364.41 -3083.89,-354.41
L4:
  region net -18.8V: -3988.89,-581.41 -3988.89,-331.41 -4231.89,-331.41 -4231.89,-581.41
  region net isoDGND: -4166.89,-79.41 -3303.89,-79.41 -3303.89,-319.41 -4166.89,-319.41
  region net isoAGND: -3315,881 -3315,626 -4226.89,626 -4226.89,881
  region net isoAGND: -4038.89,285.59
  region net isoAGND: -3948.89,610.59 -3948.89,355.59 -4226.89,355.59 -4226.89,610.59

## Silkscreen, mask and mechanical layers (free items; w line width, h text height)
Top Overlay:
  drawing of 144 lines, arcs and shapes, not listed
  text "+15V" at -3065.99,796 h100
  text "(c) Lightwave Lab / RevB  byWZ" at -5900,790 h80
  text "e" at -5415,725 h250
  text "SMU" at -3935,725 h200
  text "Source & / Measure" at -1693.71,650 h100
  text "1-CH Module" at -4010.42,645 h100
  text "VIN" at -5722.13,601 h100
  text "5.5V" at -3679.57,522 h100
  text "AGND" at -2938.56,280 h80
  text "VP1" at -4492.85,265 h100
  text "3.3V" at -3054.99,-157 h100
  text "G4" at -1854.8,-210 h50
  text "G3" at -1744.67,-210 h50
  text "G2" at -1633.67,-210 h50
  text "G1" at -1523.67,-211 h50
  text "G0" at -1407.67,-211 h50
  text "VP2" at -4337.85,-225 h100
  text "g" at -45,-255 h150
  text "iSense Gain Set" at -1760.5,-256 h60
  text "-15V" at -3554.99,-469 h100
  text "VN" at -4417.85,-565 h100
  text "DGND" at -2952.56,-783 h80
  text "LDOs" at -3222.27,-886 h100
  text "Isolated Power" at -4747.42,-914 h100
  text "DATA I/O" at -5887.42,-933 h100
Bottom Overlay:
  drawing of 2215 lines, arcs and shapes, not listed
  text "(c) lightwave Lab" at -5360,845 h100
  text "OUTPUT" at -308,310 h40
  text "GUARD" at -158.06,227 h30
  text "LOAD+" at -171.39,131 h30
  text "VS+" at -161,30 h30
  text "INPUT" at -5546,-3 h40
  text "LOAD-" at -167.39,-72 h30
  text "1-CH / Module" at -4148.12,-75 h140
  text "Precision SMU" at -2683.6,-75 h260
  text "VINP" at -5735,-80 h30
  text "VINP" at -5423.04,-80 h30
  text "VS-" at -168.39,-169 h30
  text "PGNP" at -5730,-185 h30
  text "PGNP" at -5433.04,-185 h30
  text "Vref" at -1929,-254 h60
  text "RGND" at -2080,-255 h60
  text "Vref/2" at -2213,-261 h60
  text "EARTH" at -167.39,-270 h30
  text "LDAC" at -5735,-285 h30
  text "PGOOD" at -5398.05,-285 h30
  text "FAULT" at -5735,-385 h30
  text "DADCS" at -5398.05,-385 h30
  text "DCLK" at -5735,-485 h30
  text "MVDD" at -5428.04,-485 h30
  text "MISO" at -5735,-585 h30
  text "MOSI" at -5433.03,-585 h30
  text "MGND" at -5730,-685 h30
  text "SS" at -5428.04,-685 h30
Top Solder:
  lines w10: -1350,-376 -1344.83,-370.83 -1329.83,-370.83 -1309,-350 -1309,-332 -1288,-311 -1288,-127 -1322,-93 -1322,43.81 -1323.83,45.65 -1323.83,56.83 -1329,62 ; -1345,-600 -1325,-620 -1145,-620 -1128,-637 -1128,-795 -1115,-808 -978,-808 -950,-780 -580,-780 -540,-740 -540,-660 -533.17,-653.17 -533.17,-641.17 -528,-636 ; -1310,-480 -1307,-477 -1302.69,-477 ; -1304.85,-474.85 -1303.76,-474.85 -1291.91,-463 -1267,-463 -1227,-423 -1227,-378 -1158,-309 -1158,-130 -1124,-96 -1124,53 -1115,62 ; -1302.69,-480 -1293.69,-489 -1144,-489 -1130,-475 -1130,-335 -1115,-320 -980,-320 -955,-345 -580,-345 -540,-385 -540,-480 -535,-485 ; -1295,-413 -1295,-412 -1265,-382 -1265,-353 -1223,-311 -1223,61 ; -1259,221 -1280,242 -1280,431 -1211,500 -1045,500 -999,546 -850,546 -811,585 -658,585 -634,561 -634,439 ; -1240,-555 -1130,-555 -1125,-555 -1080,-600 -1080,-695 -1060,-715 -970,-715 -960,-725 -905,-725 ; -1206,257 -1206,260 -1225,279 -1225,399 -1185,439 -634,439 ; -1163,312 -1168.17,317.17 -1168.17,328.35 -1170,330.19 -1170,364 -1157,377 -1042,377 -999,334 -858,334 -811,287 -659,287 -634,312 -634,439 ; -1128,-555 -1080,-507 -1080,-430 -1065,-415 -980,-415 -965,-400 -905,-400 ; -835,-725 -827.81,-725 -816.81,-736 -747,-736 -724,-713 -724,-649 -738,-635 ; -835,-400 -827.69,-400 -817.69,-390 -746,-390 -724,-412 -724,-476 -738,-490 ; -411,-639 -411,-599 -356,-544 -312,-544 -287,-519 -287,-34 -322,1 -454,1 -478,25 -478,50 -478,73 -452,99 -322,99 -236,13 -236,-545 -299.14,-608.14 -321.14,-608.14 -323,-610 ; -388,-481 -388,-509 -373,-524 -349,-524 -335,-510 -335,-312 -307,-284 -307,-125 -332,-100 -454,-100 -479,-125 -479,-148 -479,-171 -451,-199 -377,-199 -356,-220 -356,-258 -386,-288 -386,-484.04 ; -738,-490 -738,-490
  lines w60: -2660,-873 -175,-873 -175,862 -2660,862 -2660,-873
Mechanical 1:
  lines w10: -5509.89,-291.41 -5459.89,-291.41 -5409.89,-291.41 ; -5509.89,-191.41 -5459.89,-191.41 -5409.89,-191.41 ; -5509.89,-91.41 -5459.89,-91.41 -5409.89,-91.41 ; -5509.89,8.59 -5459.89,8.59 -5409.89,8.59 ; -5509.89,108.59 -5459.89,108.59 -5409.89,108.59 ; -5509.89,208.59 -5459.89,208.59 -5409.89,208.59 ; -5509.89,308.59 -5459.89,308.59 -5409.89,308.59 ; -5459.89,-351.41 -5459.89,368.59
  lines w60: -2660,-873 -175,-873 -175,862 -2660,862 -2660,-873
Top Courtyard:
  lines w8: -285,-755 -285,-120

## Text inside footprints (layer, text, board x,y; h text height)
J1: Top Overlay "1" at -5763.94,26.39 h30 r270; Top Overlay "2" at -5559.21,42.14 h30 r270; Top Overlay "13" at -5763.94,-741.33 h30 r270; Top Overlay "14" at -5559.21,-737.39 h30 r270
U10: Top Overlay "*" at -5076.89,-351.41 h30 r90; Mechanical 15 "*" at -5085,-330.04 h30 r90
U12: Top Overlay "*" at -2220.47,437.57 h30 r270; Mechanical 15 "*" at -2220.47,378.85 h30 r270